# Altium PCB cyber60-smk.PcbDoc (part 3 of 4)
Units mm, origin at the board's own origin, x right, y up, seen from the top; angles counter-clockwise.
Board outline 284.73 x 94.2 mm, 2 copper layers (Component Side, Bottom Layer), stack 1.571 mm thick; 239 components, 148 nets, 988 pads, 591 vias.
Unrouted connection lines stored in the file: 6.
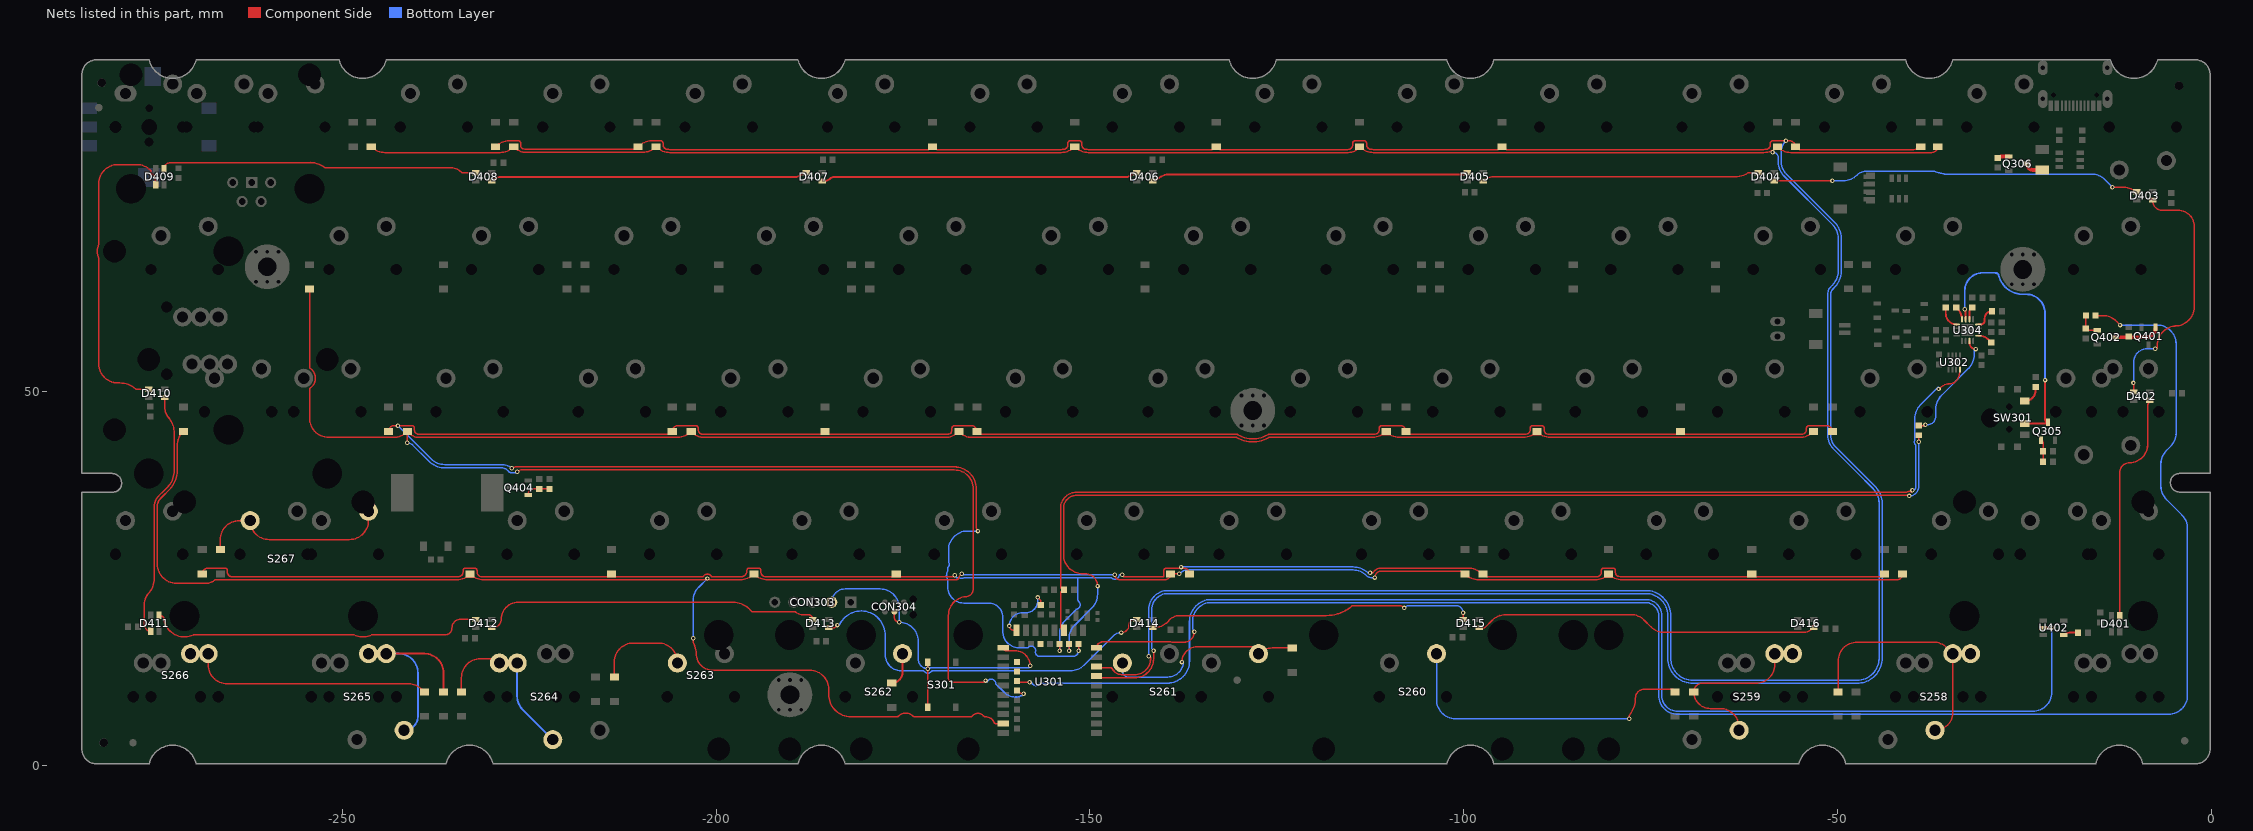
[diagram p3: the nets of this part, all layers, seen from the top]

## Via types
v1: diameter 0.6, hole 0.3, Component Side to Bottom Layer, tented both sides, 577 vias
v2: diameter 1, hole 0.5, Component Side to Bottom Layer, tented both sides, 9 vias
v3: diameter 1.5, hole 0.75, Component Side to Bottom Layer, tented both sides, 5 vias

## Nets (pads, with @x,y where several pads share a name; then routed paths per layer and width w, separated by ;. In a path a pad name is that pad's centre, name@x,y a point inside that pad or via, vN(x,y) a via of type N, cw(c..) or ccw(c..) an arc to the next point about the centre after c; other vN are vias at no path point) (continued)
NetD258_1: D258.1 S258.1 | length 33.1
  Component Side w0.203: D258.1@-49.911,9.85 -49.911,13.97 cw(c-47.371,13.97) -47.371,16.51 -37.166,16.51 cw(c-37.166,13.97) -35.37,15.766 S258.1@-34.569,14.965 -34.569,7.096 cw(c-36.95,7.096) S258.1@-36.95,4.715
NetD259_1: D259.1 S259.1 | length 24.4
  Component Side w0.203: S259.1@-63.15,4.715 -63.15,5.08 ccw(c-65.69,5.08) -65.69,7.62 -66.985,7.62 cw(c-66.985,9.85) D259.1@-69.215,9.85 cw(c-68.055,9.85) -68.055,11.01 -60.875,11.01 ccw(c-60.875,13.497) -58.387,13.497 S259.1@-58.387,14.965 -58.911,14.441 ccw(c-58.767,14.298) S259.1@-58.97,14.298
NetD260_1: D260.1 S260.1 | length 42.7
  Component Side w0.203: v1(-77.851,6.269) -77.851,6.57 -77.867,6.585 cw(c-77.663,6.585) -77.823,6.711 ccw(c-80.773,9.025) -77.561,7.091 ccw(c-80.773,9.025) -77.024,9.025 cw(c-75.846,9.025) -75.846,10.203 -72.108,10.203 cw(c-72.108,9.85) D260.1@-71.755,9.85 ; D260.1@-71.426,9.969 ccw(c-72.241,10.784) D260.1@-71.313,10.1
  Bottom Layer w0.203: S260.1@-103.63,14.965 -103.63,8.809 ccw(c-101.09,8.809) -101.09,6.269 v1(-77.851,6.269)
NetD261_1: D261.1 S261.2 | length 27.8
  Component Side w0.203: v1(-137.683,13.844) cw(c-135.652,13.844) -135.652,15.875 -128.353,15.875 cw(c-128.353,14.965) S261.2@-127.443,14.965 -127.42,14.988 cw(c-125.624,13.192) -125.624,15.732 D261.1@-122.936,15.732
  Bottom Layer w0.203: S261.2@-145.649,13.715 -145.649,12.68 ccw(c-144.78,12.68) -144.975,11.833 -139.617,11.833 ccw(c-139.617,13.97) -137.481,13.97 cw(c-137.608,13.97) -137.608,13.843 v1(-137.683,13.844) v1(-137.683,13.844)
NetD262_1: D262.1 S262.1 | length 4.7
  Component Side w0.254: D262.1@-176.5,11.033 ccw(c-176.5,12.465) -175.068,12.465 S262.1@-175.068,14.965
NetD263_1: D263.1 S263.1 | length 13.5
  Component Side w0.203: D263.1@-213.614,11.85 -213.614,13.843 cw(c-211.074,13.843) -211.074,16.383 -207.721,16.383 cw(c-207.721,13.843) -205.181,13.843 S263.1@-205.181,13.715
NetD264_1: D264.1 S264.2 | length 21.1
  Component Side w0.203: D264.1@-234.061,9.85 -234.061,11.755 cw(c-231.521,11.755) -231.521,14.295 S264.2@-228.383,14.295
  Bottom Layer w0.254: S264.2@-226.612,13.715 -226.612,9.28 ccw(c-224.072,9.28) -225.868,7.484 S264.2@-221.849,3.465
NetD265_1: D265.1 S265.1 | length 26.1
  Component Side w0.254: S265.1@-244.119,14.965 -239.014,14.965 cw(c-239.014,12.425) -236.474,12.425 D265.1@-236.474,9.85
  Bottom Layer w0.254: S265.1@-244.119,14.965 -242.443,14.965 cw(c-242.443,12.425) -239.903,12.425 -239.903,6.55 cw(c-241.738,6.55) S265.1@-241.738,4.715
NetD266_1: D266.1 S266.1 | length 32.2
  Component Side w0.203: S266.1@-267.937,14.965 -267.937,13.462 ccw(c-265.397,13.462) -265.397,10.922 -241.138,10.922 cw(c-241.138,8.382) -239.342,10.178 D266.1@-239.014,9.85
NetD267_1: D267.1 S267.1 | length 26.3
  Component Side w0.203: D267.1@-266.319,28.9 -266.319,30.225 cw(c-263.779,30.225) -263.779,32.765 S267.1@-262.33,32.765 ccw(c-259.791,32.765) -259.791,30.226 -249.045,30.226 ccw(c-249.045,32.766) -246.505,32.766 S267.1@-246.505,33.58
NetD401_2: D401.2 D402.4 | length 30.9
  Component Side w0.203: D401.2@-12.25,20.065 -12.25,39.185 cw(c-10.922,39.185) -10.922,40.513 ccw(c-10.922,42.926) -8.509,42.926 -8.509,47.994 cw(c-7.474,47.994) D402.4@-8.206,48.726
NetD402_2: D402.2 D403.4 | length 34.7
  Component Side w0.203: v1(-10.414,51.181) cw(c-10.602,50.993) -10.336,50.993 D402.2@-10.336,49.826 ; D403.4@-7.825,75.523 ccw(c-6.597,75.523) -6.597,74.295 -4.445,74.295 cw(c-4.445,72.136) -2.286,72.136 -2.286,61.341 cw(c-4.826,61.341) -4.826,58.801 cw(c-4.9,58.99) -4.88,58.788 ccw(c-4.62,56.204) -7.206,56.441 ; v1(-7.493,55.753) ccw(c-7.493,56.04) -7.242,55.9 ccw(c-7.42,55.999) -7.216,55.999 -7.216,56.204 cw(c-4.62,56.204) -7.206,56.44
  Bottom Layer w0.203: v1@-10.362,51.279 -10.362,53.975 cw(c-8.584,53.975) -8.584,55.753 v1(-7.493,55.753)
NetD403_2: D403.2 D404.4 | length 49.7
  Component Side w0.203: D404.4@-58.435,78.2 -58.403,78.232 v1(-50.673,78.232) ; v1(-13.208,77.343) -11.693,77.343 cw(c-11.693,74.885) D403.2@-9.955,76.623
  Bottom Layer w0.203: v1(-50.673,78.232) -49.185,78.232 ccw(c-49.185,80.772) -47.389,78.976 -47.371,78.994 cw(c-46.145,77.768) -46.145,79.502 -37.128,79.502 cw(c-37.127,79.299) -37.031,79.478 ccw(c-36.195,81.026) -36.317,79.271 cw(c-36.331,79.068) -36.256,79.257 ccw(c-35.55,81.026) -35.55,79.121 -16.038,79.121 cw(c-16.038,76.581) -14.242,78.377 v1(-13.208,77.343)
NetD404_2: D404.2 D405.4 | length 37.1
  Component Side w0.203: D405.4@-97.368,78.2 cw(c-96.054,76.886) -96.054,78.744 -63.69,78.744 ccw(c-63.69,81.724) -62.008,79.265 cw(c-61.893,79.097) -61.892,79.3 D404.2@-60.565,79.3
NetD405_2: D405.2 D406.4 | length 42.4
  Component Side w0.254: D406.4@-141.585,78.2 -141.446,78.2 ccw(c-141.446,78.785) -141.033,78.371 cw(c-139.307,76.646) -139.307,79.086 -100.015,79.086 ccw(c-100.015,79.817) D405.2@-99.498,79.3
NetD406_2: D406.2 D407.4 | length 42.4
  Component Side w0.254: D407.4@-185.802,78.2 -185.475,78.2 ccw(c-185.475,79.176) -184.785,78.486 cw(c-184.222,77.923) -184.222,78.719 -145.164,78.719 ccw(c-145.164,79.808) -144.267,79.19 cw(c-144.058,79.046) -144.057,79.3 D406.2@-143.715,79.3
NetD407_2: D407.2 D408.4 | length 42.6
  Component Side w0.254: D408.4@-230.018,78.2 cw(c-228.765,76.947) -228.765,78.719 -189.422,78.719 ccw(c-189.422,79.947) -189.052,78.776 ccw(c-189.38,79.815) -188.487,79.191 cw(c-188.279,79.046) -188.277,79.3 D407.2@-187.932,79.3 cw(c-189.032,79.3) D407.2@-187.954,79.08
NetD408_2: D408.2 D409.4 | length 43.9
  Component Side w0.203: D409.4@-273.703,79.815 D409.4@-273.85,79.815 cw(c-273.035,79.815) -273.035,80.63 -270.256,80.63 -261.493,80.63 -254.913,80.63 ccw(c-254.913,80.833) -254.884,80.632 cw(c-254.381,77.16) -253.704,80.603 cw(c-254.381,77.16) -252.301,79.985 ccw(c-252.18,80.149) -252.18,79.946 -238.252,79.946 -235.477,79.946 ; -236.728,79.946 -235.479,79.946 cw(c-235.479,79.39) -235.477,79.946 ; D408.2@-232.148,79.3 -233.924,79.3 cw(c-233.924,79.503) -234.069,79.361 ccw(c-235.458,78.003) -235.458,79.945 cw(c-235.46,80.149) -235.465,79.945 ccw(c-235.479,79.39) -235.477,79.946
NetD409_2: D409.2 D410.4 | length 44.1
  Component Side w0.203: -280.623,51.25 ccw(c-280.035,53.721) -280.035,51.181 ; D410.4@-275.996,50.437 D410.4@-275.893,50.334 -277.548,50.334 cw(c-277.548,50.537) -277.683,50.386 ccw(c-279.755,48.085) -279.755,51.181 -280.035,51.181 ; D409.2@-274.95,77.685 -274.95,77.85 ccw(c-277.49,77.85) -275.176,78.897 ccw(c-275.361,78.814) -275.337,79.016 cw(c-275.3,79.315) -275.602,79.315 -275.602,79.468 ccw(c-275.805,79.469) -275.658,79.609 ccw(c-277.49,77.85) -277.49,80.39 -280.035,80.39 ccw(c-280.035,77.85) -282.575,77.85 -282.575,69.818 cw(c-282.778,69.817) -282.593,69.734 ccw(c-280.465,68.783) -282.593,67.832 cw(c-282.778,67.749) -282.575,67.748 -282.575,53.721 ccw(c-280.035,53.721) -280.035,51.181
NetD410_2: D410.2 D411.4 | length 33.7
  Component Side w0.203: D411.4@-275.55,17.935 cw(c-275.55,18.864) -276.479,18.864 -276.479,21.553 cw(c-274.222,21.553) -276.027,22.908 ccw(c-278.257,25.055) -275.818,23.149 ccw(c-278.257,25.055) -275.161,25.055 -275.161,25.079 cw(c-274.958,25.079) -275.16,25.1 ccw(c-277.686,25.372) -275.146,25.372 -275.146,34.885 cw(c-273.177,34.635) -274.579,36.039 -273.864,36.755 -273.4,37.218 ccw(c-275.59,39.406) -272.532,38.928 ccw(c-275.59,39.406) -272.494,39.406 -272.494,44.541 ccw(c-275.59,44.541) -272.5,44.721 ; D410.2@-273.763,49.234 -273.763,47.948 ccw(c-271.603,47.948) -273.358,46.689 ccw(c-273.193,46.807) -273.342,46.669 ccw(c-273.193,46.807) -273.341,46.668 ; -273.13,46.421 ccw(c-275.59,44.541) -273.341,46.668 ; -272.5,44.721 ccw(c-275.59,44.541) -273.341,46.668
NetD411_2: D411.2 D412.4 | length 45.3
  Component Side w0.203: D411.2@-274.311,19.926 -274.45,20.065 cw(c-274.45,19.339) -273.976,19.889 cw(c-274.109,19.735) -273.907,19.754 ccw(c-271.118,20.01) -273.724,18.985 ccw(c-271.118,20.01) -273.44,18.445 ccw(c-271.118,20.01) -269.959,17.461 cw(c-269.875,17.276) -269.874,17.479 -267.477,17.479 ; -267.476,17.479 cw(c-267.311,13.831) -267.311,17.483 -253.195,17.483 -252.984,17.483 -248.494,17.483 cw(c-248.493,17.279) -248.409,17.464 ccw(c-247.242,20.01) -246.075,17.464 cw(c-245.991,17.279) -245.99,17.483 -236.263,17.483 ccw(c-236.263,18.415) -235.331,18.415 cw(c-234.196,18.415) -234.196,19.55 D412.4@-232.148,19.55
NetD412_2: D412.2 D413.4 | length 45.7
  Component Side w0.203: D412.2@-230.018,18.45 -229.856,18.45 ccw(c-229.856,19.576) -228.73,19.576 cw(c-226.462,19.576) -226.462,21.844 -200.624,21.844 -197.739,21.844 cw(c-197.739,18.748) -195.297,20.651 ccw(c-195.138,20.777) -195.139,20.574 -189.502,20.574 cw(c-189.503,20.371) -189.483,20.573 cw(c-189.503,20.371) -189.378,20.531 ccw(c-188.341,21.844) -189.336,20.498 ccw(c-188.341,21.844) -189.202,20.409 ccw(c-188.341,21.844) -189.2,20.408 ccw(c-188.341,21.844) -189.199,20.407 ccw(c-188.341,21.844) -188.599,20.191 ccw(c-188.341,21.844) -188.341,20.171 -187.569,20.171 cw(c-187.57,19.968) -187.507,20.161 cw(c-187.708,19.55) -187.115,19.798 D413.4@-187.065,19.55
NetD413_2: D413.2 D414.4 | length 51
  Component Side w0.203: D413.2@-184.935,18.45 -184.9,18.415 -184.15,18.415 v1(-183.769,18.796) ; v1(-145.796,17.78) ccw(c-145.796,18.805) -144.771,18.805 cw(c-144.033,18.805) -144.402,19.444 cw(c-144.033,18.805) -144.033,19.543 D414.4@-143.89,19.543
  Bottom Layer w0.203: v1(-183.769,18.796) -183.633,18.796 ccw(c-183.634,18.999) -183.452,18.908 cw(c-180.589,17.47) -182.012,20.341 ; -181.834,20.422 ccw(c-180.589,17.47) -182.012,20.341 ; v1(-145.796,17.78) ccw(c-145.796,16.247) -146.88,17.331 -150.789,13.422 cw(c-152.585,15.218) -152.585,12.678 -171.029,12.678 ccw(c-171.028,12.475) -171.19,12.597 cw(c-171.674,12.954) -172.158,12.596 ccw(c-172.32,12.475) -172.319,12.678 -175.251,12.678 cw(c-175.251,14.815) -177.388,14.815 -177.388,17.569 ccw(c-177.791,17.569) -177.391,17.622 cw(c-177.189,17.647) -177.393,17.651 ccw(c-177.796,17.662) -177.393,17.688 ccw(c-180.589,17.47) -178.363,19.773 ccw(c-180.589,17.47) -182.012,20.341
NetD414_2: D414.2 D415.4 | length 45.3
  Component Side w0.203: D414.2@-141.585,18.45 -141.406,18.45 ccw(c-141.406,20.99) -139.61,19.194 -139.53,19.273 cw(c-137.988,18.161) -139.367,19.47 cw(c-137.988,18.161) -137.988,20.063 -118.364,20.063 ccw(c-118.364,25.229) -115.513,20.921 ; -116.757,20.319 ccw(c-118.364,25.229) -115.513,20.921 ; v1(-107.95,21.082) ccw(c-108.713,20.319) -108.713,21.398 -114.82,21.398 ccw(c-114.821,21.195) -114.955,21.347 cw(c-118.364,25.229) -115.512,20.922 cw(c-118.364,25.229) -115.513,20.921 ; v1(-100.076,20.447) -100.076,19.561 D415.4@-100.065,19.55
  Bottom Layer w0.203: v1(-107.95,21.082) cw(c-107.191,20.323) -107.191,21.396 -101.025,21.396 cw(c-101.025,20.447) v1(-100.076,20.447)
NetD415_2: D415.2 D416.4 | length 45.8
  Component Side w0.203: -97.368,18.45 ccw(c-97.368,19.987) -97.162,18.464 -96.181,19.444 cw(c-94.385,17.648) -95.854,19.72 cw(c-94.385,17.648) -94.385,20.188 -77.629,20.188 cw(c-77.629,17.648) -75.832,19.444 -74.93,18.542 ccw(c-73.134,20.338) -73.134,17.798 -54.725,17.798 ccw(c-54.725,20.023) D416.4@-53.152,18.45
NetF301_1: F301.1 Q306.3 | length 2.5
  Component Side w0.5: Q306.3@-24.667,80.507 ccw(c-23.836,80.507) -23.836,79.676 F301.1@-22.606,79.676
NetL301_2: L301.2 U301.25 | length 8.6
  Component Side w0.203: v1(-160.782,18.669) ccw(c-160.219,18.669) -160.219,18.106 U301.25@-159.798,18.106 ; v1(-156.972,22.479) -156.591,22.098 L301.2@-156.591,21.478
  Bottom Layer w0.203: v1(-160.782,18.669) cw(c-159.004,18.669) -159.004,20.447 -158.559,20.447 ccw(c-158.559,22.034) -156.972,22.034 v1(-156.972,22.479)
NetQ305_1: Q305.1 R305.2 R306.1 | length 3
  Component Side w0.203: Q305.1@-22.794,43.504 cw(c-22.794,43.204) -22.494,43.204 R305.2@-22.494,40.64
NetQ305_3: Q305.3 SW301.2 U304.15 | length 36.8
  Component Side w0.254: v1(-32.977,61.043) cw(c-33.293,60.727) -32.846,60.727 U304.15@-32.846,59.699 ; SW301.2@-24.925,45.75 -21.998,45.75 ccw(c-21.998,45.904) Q305.3@-21.844,45.904 cw(c-21.844,46.285) -22.225,46.285 v1(-22.225,51.562)
  Bottom Layer w0.254: v1(-32.977,61.043) -32.977,63.507 cw(c-30.571,63.507) -30.571,65.913 -28.906,65.913 cw(c-28.906,65.387) -28.836,65.908 cw(c-28.906,65.387) -28.448,65.647 ccw(c-25.2,66.365) -28.38,65.387 ccw(c-25.2,66.365) -27.474,63.937 ccw(c-25.2,66.365) -25.422,63.045 ccw(c-25.2,66.365) -24.978,63.045 -24.765,63.045 cw(c-24.765,60.505) -22.225,60.505 v1(-22.225,51.562)
NetQ306_1: Q306.1 R315.1 | length 1.5
  Component Side w0.5: R315.1@-28.534,81.284 cw(c-28.116,80.866) -28.116,81.457 Q306.1@-27.067,81.457
NetQ401_1: Q401.1 Q402.3 R402.1 | length 6.2
  Component Side w0.5: Q402.3@-12.827,57.277 -8.759,57.277 ccw(c-8.759,58.604) Q401.1@-7.432,58.604
NetQ402_1: Q402.1 R401.2 R403.1 | length 3.4
  Component Side w0.203: R401.2@-16.779,60.198 -16.779,58.471 ccw(c-16.728,58.471) R403.1@-16.764,58.435 ccw(c-16.262,58.937) -16.262,58.227 Q402.1@-15.227,58.227
NetQ404_1: Q404.1 R406.1 R407.1 | length 3.3
  Component Side w0.203: Q404.1@-225.145,36.21 cw(c-224.337,36.21) -224.337,37.018 R407.1@-223.678,37.018 R406.1@-222.281,37.018
NetR307_1: R307.1 U304.14 | length 1.7
  Component Side w0.254: U304.14@-32.346,59.699 -32.346,60.659 cw(c-31.465,60.659) R307.1@-32.088,61.282
NetR308_1: R308.1 U304.12 | length 3
  Component Side w0.254: U304.12@-31.146,58.999 -30.83,58.999 ccw(c-30.83,59.519) -30.31,59.519 -30.31,59.788 cw(c-29.309,59.788) R308.1@-29.309,60.789
NetR310_1: R310.1 U304.16 | length 1.8
  Component Side w0.254: R310.1@-34.12,61.282 -33.918,61.08 cw(c-35.299,59.699) U304.16@-33.346,59.699
NetR311_1: R311.1 SW301.1 | length 3.2
  Component Side w0.254: SW301.1@-24.623,49.052 cw(c-24.925,49.052) SW301.1@-24.925,48.75 ccw(c-24.925,50.18) -23.495,50.18 R311.1@-23.495,50.643
NetR312_1: R312.1 U304.9 | length 2
  Component Side w0.254: U304.9@-31.146,57.499 cw(c-31.146,55.473) -29.714,56.906 R312.1@-29.421,56.613
NetR313_1: R313.1 U304.1 | length 3.1
  Component Side w0.254: R313.1@-35.517,61.282 -35.517,60.47 ccw(c-34.046,60.47) U304.1@-34.046,58.999
NetR314_1: R314.1 U304.7 | length 16.3
  Component Side w0.203: R314.1@-39.116,45.481 -38.339,45.481 ccw(c-38.339,45.593) v1(-38.227,45.593)
  Component Side w0.254: v1(-31.5,55.709) cw(c-31.5,56.555) -32.161,56.026 ; -32.161,56.026 cw(c-31.5,56.555) -32.346,56.555 U304.7@-32.346,56.799 ccw(c-30.644,56.799) -32.161,56.026
  Bottom Layer w0.203: v1(-38.227,45.593) -38.227,45.598 -37.922,45.598 ; v1@-37.973,45.593 ccw(c-37.973,46.736) -36.83,46.736 -36.83,47.716 cw(c-34.29,47.716) -36.086,49.512 -32.451,53.147 ccw(c-34.247,54.943) -31.707,54.943 v1@-31.707,55.709
NetR404_2: R404.2 U402.4 | length 2
  Component Side w0.254: U402.4@-19.707,17.465 cw(c-18.947,16.705) -18.947,17.78 R404.2@-17.795,17.78
P0.02/AIN0: D201.2 D203.2 D205.2 D207.2 D209.2 D211.2 D213.2 U301.7 | length 399.1
  Component Side w0.203: D213.2@-229.489,82.78 -229.429,82.84 cw(c-227.686,81.097) -227.686,83.562 -226.466,83.562 cw(c-226.466,83.235) -226.139,83.235 -226.139,82.947 ccw(c-225.619,82.947) -225.886,82.5 ccw(c-225.78,82.674) -225.825,82.476 ccw(c-225.379,84.477) -225.379,82.427 -211.207,82.427 ccw(c-211.301,83.642) D211.2@-210.536,82.693 ; D211.2@-210.439,82.78 cw(c-211.301,83.642) D211.2@-210.536,82.693 ; U301.7@-149.098,11.946 ccw(c-148.892,11.946) -148.892,11.74 -145.669,11.74 ; v1(-141.478,15.367) -141.478,14.28 cw(c-144.018,14.28) -144.018,11.74 -145.63,11.74 ; D201.2@-38.862,82.78 cw(c-39.777,83.695) -39.777,82.401 -51.054,82.401 -55.057,82.401 cw(c-55.057,82.604) -55.155,82.426 cw(c-54.151,84.255) D203.2@-55.626,82.78 ccw(c-56.408,82.78) -56.408,83.562 -58.649,83.562 ccw(c-58.649,83.235) -58.976,83.235 -58.976,83.034 cw(c-59.609,83.034) -59.282,82.492 cw(c-59.386,82.667) -59.335,82.47 cw(c-59.873,84.538) -59.873,82.401 -91.313,82.401 -94.243,82.401 cw(c-94.243,82.604) -94.319,82.416 cw(c-93.701,83.948) D205.2@-94.869,82.78 cw(c-96.344,84.255) -95.341,82.426 cw(c-95.438,82.604) -95.438,82.401 -97.917,82.401 -112.085,82.401 cw(c-112.085,84.538) -112.625,82.471 cw(c-112.572,82.667) -112.68,82.495 cw(c-112.349,83.034) -112.982,83.034 -112.982,83.235 ccw(c-113.309,83.235) -113.309,83.562 -114.529,83.562 ccw(c-114.529,83.235) -114.856,83.235 -114.856,83.034 cw(c-115.489,83.034) -115.489,82.401 -127,82.401 -132.553,82.401 cw(c-132.553,82.604) -132.662,82.433 cw(c-131.314,84.562) D207.2@-133.096,82.78 cw(c-134.571,84.255) -133.568,82.426 cw(c-133.665,82.604) -133.665,82.401 -136.271,82.401 -150.185,82.401 cw(c-150.185,84.538) -150.725,82.471 cw(c-150.672,82.667) -150.78,82.495 cw(c-150.449,83.034) -151.082,83.034 -151.082,83.235 ccw(c-151.409,83.235) -151.409,83.562 -152.629,83.562 ccw(c-152.629,83.235) -152.956,83.235 -152.956,83.034 cw(c-153.589,83.034) -153.262,82.492 cw(c-153.366,82.667) -153.315,82.47 cw(c-153.853,84.538) -153.853,82.401 -169.418,82.401 -170.443,82.401 cw(c-170.443,82.604) -170.519,82.416 cw(c-169.901,83.948) D209.2@-171.069,82.78 cw(c-172.544,84.255) -171.541,82.426 cw(c-171.638,82.604) -171.638,82.401 -173.482,82.401 -206.192,82.401 cw(c-206.192,84.538) -206.732,82.471 cw(c-206.679,82.667) -206.787,82.495 cw(c-206.456,83.034) -207.089,83.034 -207.089,83.235 ccw(c-207.416,83.235) -207.416,83.562 -208.636,83.562 ccw(c-208.636,81.307) -210.23,82.902 -210.439,82.693 D211.2@-210.536,82.693 ; -145.668,11.74 ccw(c-145.649,13.715) -145.63,11.74 ; -145.669,11.74 ccw(c-145.649,13.715) -145.63,11.74
  Bottom Layer w0.203: -141.71,15.599 -141.71,20.87 cw(c-139.573,20.87) -141.103,22.361 cw(c-139.573,20.87) -139.576,23.007 -133.991,23.007 ccw(c-133.991,23.41) -133.979,23.007 cw(c-133.858,19.663) -133.858,23.009 -75.648,23.009 cw(c-75.648,20.066) -73.805,22.361 cw(c-75.648,20.066) -72.704,20.066 -72.704,14.986 -72.704,14.351 ccw(c-69.358,14.351) -72.704,14.347 ccw(c-69.358,14.351) -72.094,12.424 ccw(c-69.358,14.351) -70.956,11.411 ccw(c-69.358,14.351) -69.358,11.005 -47.371,11.005 ccw(c-47.371,14.351) -46.104,11.254 ccw(c-47.371,14.351) -44.587,12.495 ccw(c-47.371,14.351) -44.025,14.351 -44.025,16.129 -44.025,32.734 -44.025,35.121 ccw(c-46.968,35.121) -44.421,36.596 cw(c-44.245,36.697) -44.423,36.6 ccw(c-47.371,35.016) -45.007,37.384 -47.182,39.559 ; v1(-56.896,83.566) ccw(c-55.417,82.087) -57.509,82.087 -57.509,80.681 ccw(c-55.372,80.681) -57.497,80.46 ccw(c-57.295,80.482) -57.496,80.451 ccw(c-54.991,80.87) -56.788,79.076 -50.369,72.656 cw(c-52.451,70.576) -49.508,70.576 -49.508,66.076 cw(c-52.451,66.076) -50.369,63.996 -50.642,63.723 ccw(c-50.061,63.142) -50.825,63.444 ccw(c-50.636,63.371) -50.834,63.415 cw(c-51.816,63.627) -50.864,63.305 ccw(c-50.671,63.241) -50.872,63.276 ccw(c-50.061,63.142) -50.883,63.142 -50.883,44.145 ccw(c-48.746,44.145) -50.256,42.633 -47.182,39.56
P0.05: R303.2 U301.15 U302.8 | length 152.9
  Component Side w0.203: U301.15@-153.67,18.328 ccw(c-153.448,18.328) U301.15@-153.448,18.106 cw(c-153.448,18.582) -153.924,18.582 -153.924,23.002 cw(c-153.431,23.002) R303.2@-153.431,23.495 cw(c-153.431,23.988) -153.924,23.988 -153.924,34.417 cw(c-151.787,34.417) -152.42,36.458 cw(c-151.787,34.417) -151.787,36.554 -40.741,36.554 cw(c-40.386,36.068) -40.07,36.58 ccw(c-40.154,36.703) -40.005,36.703 -40.005,36.78 v1(-39.971,36.814) ; v1(-36.474,50.367) -36.453,50.388 cw(c-34.8,48.736) -34.975,51.066 ; -34.8,51.073 cw(c-34.925,52.07) -34.975,51.066 ; U302.8@-33.624,52.986 -33.624,52.785 cw(c-35.64,52.785) -34.215,51.359 cw(c-34.925,52.07) -34.474,51.172 cw(c-34.656,51.532) -34.477,51.171 cw(c-34.925,52.07) -34.975,51.066
  Bottom Layer w0.203: v1(-39.971,36.814) ccw(c-39.971,37.288) -39.579,37.022 ccw(c-40.386,37.338) -39.519,37.338 -39.519,42.861 cw(c-39.116,43.307) -39.654,43.576 -39.654,46.416 cw(c-37.114,46.416) -38.91,48.212 v1@-36.666,50.456 ; v1@-36.666,50.456 -36.512,50.609 -36.474,50.571 v1(-36.474,50.367)
P0.06: R314.2 U301.14 | length 147
  Component Side w0.203: v1(-152.781,15.367) U301.14@-152.781,16.229 ; v1(-148.971,24.003) ccw(c-150.622,24.003) -150.622,25.654 -150.981,25.654 cw(c-150.981,28.194) -152.62,26.254 cw(c-150.981,28.194) -153.416,27.472 cw(c-150.981,28.194) -153.521,28.194 -153.521,34.417 cw(c-151.787,34.417) -152.783,35.836 cw(c-151.787,34.417) -152.453,36.018 cw(c-151.787,34.417) -152.302,36.072 ccw(c-152.42,36.458) -152.3,36.073 cw(c-151.787,34.417) -151.787,36.151 -40.469,36.151 cw(c-40.469,36.068) v1(-40.386,36.068) ; v1(-39.116,43.307) R314.2@-39.116,44.181
  Bottom Layer w0.203: v1(-152.781,15.367) -152.781,16.982 cw(c-150.241,16.982) -152.037,18.778 -149.715,21.1 ccw(c-151.511,22.896) -148.971,22.896 v1(-148.971,24.003) ; v1(-40.386,36.068) ccw(c-40.386,37.338) -39.116,37.338 v1(-39.116,43.307)
P0.08: D243.2 D245.2 D247.2 D249.2 D251.2 D253.2 D255.2 U301.16 | length 246.6
  Component Side w0.203: D255.2@-268.732,25.63 cw(c-267.95,25.63) -267.95,26.412 -265.709,26.412 cw(c-265.709,26.085) -265.382,26.085 -265.382,25.917 -265.382,25.86 ccw(c-264.795,25.86) -264.795,25.273 -234.466,25.273 ccw(c-234.466,25.884) -233.855,25.884 -233.855,26.085 cw(c-233.528,26.085) -233.528,26.412 -232.308,26.412 cw(c-232.308,26.085) -231.981,26.085 -231.981,25.884 ccw(c-231.348,25.884) -231.679,25.345 ccw(c-231.571,25.517) -231.624,25.321 ccw(c-231.084,27.388) -231.084,25.251 -213.995,25.251 -201.845,25.251 ccw(c-201.845,25.454) -201.674,25.344 cw(c-201.168,25.019) -200.662,25.344 ccw(c-200.491,25.454) -200.491,25.251 -196.78,25.251 ccw(c-196.78,27.388) -196.61,25.258 ccw(c-196.716,26.085) -195.882,26.085 cw(c-195.555,26.085) -195.555,26.412 -194.335,26.412 cw(c-194.335,26.085) -194.008,26.085 -194.008,25.882 ccw(c-193.384,25.882) -193.688,25.337 ccw(c-193.587,25.514) -193.638,25.317 ccw(c-193.111,27.388) -193.294,25.259 ccw(c-193.276,25.461) -193.293,25.259 ccw(c-193.276,25.461) -193.277,25.258 ; -193.276,25.258 -192.532,25.258 v1@-168.081,25.258 ; v1(-154.051,15.367) U301.16@-154.051,16.229 ; v1(-145.669,25.527) ccw(c-145.415,25.527) -145.415,25.273 -140.208,25.273 ccw(c-140.208,25.4) -140.103,25.328 -140.103,26.085 cw(c-139.802,26.085) -139.802,26.387 -137.408,26.387 cw(c-137.408,25.63) D249.2@-136.652,25.63 ; v1@-112.232,25.781 ccw(c-112.232,25.984) -112.065,25.869 cw(c-111.02,25.146) -111.02,26.416 -99.402,26.416 cw(c-99.402,23.876) -97.606,25.672 -97.564,25.63 D247.2@-97.409,25.63 ccw(c-96.241,26.798) -96.859,25.266 ccw(c-96.783,25.454) -96.783,25.251 -92.583,25.251 -82.403,25.251 ccw(c-82.403,27.388) -82.015,25.287 ccw(c-82.052,25.487) -81.976,25.298 ccw(c-82.215,25.884) -81.582,25.884 -81.582,26.085 cw(c-81.255,26.085) -81.255,26.412 -80.035,26.412 cw(c-80.035,26.085) -79.708,26.085 -79.708,25.884 ccw(c-79.075,25.884) -79.406,25.345 ccw(c-79.298,25.517) -79.351,25.321 ccw(c-78.811,27.388) -79.243,25.295 ccw(c-78.811,27.388) -78.811,25.251 -50.546,25.251 -43.915,25.251 ccw(c-43.915,25.454) -43.719,25.4 ccw(c-44.553,25.63) D243.2@-43.688,25.63
  Bottom Layer w0.203: v1(-168.081,25.457) -168.081,25.431 -167.908,25.258 ccw(c-167.773,25.258) -167.773,25.124 -167.416,25.124 ccw(c-167.132,25.654) -166.848,25.124 -151.638,25.124 ; v1(-154.051,15.367) -154.051,17.617 cw(c-151.511,17.617) -153.307,19.413 -151.87,20.85 cw(c-151.266,20.246) -151.823,20.894 ccw(c-151.903,21.49) -151.446,21.881 ccw(c-151.903,21.49) -151.479,21.917 cw(c-150.983,22.344) -151.638,22.344 -151.638,25.124 ; v1(-145.669,25.527) -146.083,25.527 cw(c-146.685,25.527) -147.131,25.124 -151.638,25.124 ; v1(-137.795,26.543) -137.773,26.565 -114.806,26.565 cw(c-114.806,23.622) -112.862,25.832 ccw(c-112.727,25.984) -112.727,25.781 v1(-112.522,25.781)
P0.09/NFC1: D244.2 D246.2 D248.2 D250.2 D252.2 D254.2 D256.2 U301.41 | length 316.8
  Component Side w0.203: D256.2@-271.272,44.68 -271.347,44.605 ccw(c-269.551,42.809) -272.091,42.809 -272.091,39.406 cw(c-275.59,39.406) -272.529,37.712 cw(c-275.59,39.406) -273.115,36.934 -274.087,35.962 -274.296,35.752 ccw(c-273.177,34.635) -274.74,34.874 ccw(c-274.539,34.843) -274.742,34.843 -274.742,26.934 ccw(c-272.202,26.934) -272.202,24.394 -268.077,24.394 ccw(c-268.077,25.747) -267.121,24.79 cw(c-266.979,24.645) -266.978,24.848 -234.676,24.848 ccw(c-234.676,27.388) D254.2@-233.428,25.176 ; D254.2@-232.88,25.592 cw(c-234.676,27.388) D254.2@-233.428,25.176 ; v1(-203.073,17.018) -203.073,16.527 ccw(c-202.87,16.527) -203.047,16.427 cw(c-205.613,14.986) -202.67,14.986 ccw(c-200.425,14.986) -200.425,12.741 -190.387,12.741 cw(c-190.119,9.45) -189.858,12.741 ccw(c-189.843,12.944) -189.844,12.741 -187.474,12.741 cw(c-187.474,10.201) -187.453,12.741 cw(c-187.474,10.201) -185.751,12.067 cw(c-187.474,10.201) -184.934,10.201 -184.934,9.487 ccw(c-181.991,9.487) -184.367,7.75 ccw(c-181.991,9.487) -181.995,6.544 ccw(c-181.991,9.487) -181.991,6.544 -180.721,6.544 -175.743,6.544 ccw(c-175.744,6.747) -175.603,6.601 cw(c-174.625,5.588) -173.647,6.601 ccw(c-173.506,6.747) -173.506,6.544 -168.275,6.544 -167.578,6.544 -165.797,6.544 cw(c-164.973,5.969) -164.149,6.544 -164.001,6.544 cw(c-164.001,5.207) -163.823,6.532 cw(c-164.001,5.207) -162.767,5.72 ccw(c-162.58,5.799) -162.581,5.596 U301.41@-161.598,5.596 ; v1(-167.132,25.654) -167.505,25.281 cw(c-167.908,25.258) -167.908,24.855 -168.168,24.855 cw(c-168.275,25.662) -168.275,24.848 -193.111,24.848 cw(c-193.111,27.388) -194.907,25.592 D252.2@-194.945,25.63 -194.984,25.592 cw(c-196.78,27.388) -196.78,24.848 -231.084,24.848 cw(c-231.084,27.388) -232.332,25.176 D254.2@-233.428,25.176 ; v1(-146.685,25.527) ccw(c-146.028,25.527) -146.028,24.87 -139.952,24.87 ccw(c-139.952,25.63) D250.2@-139.192,25.63 cw(c-139.168,25.63) -139.168,25.654 v1(-138.049,25.654) ; v1(-111.887,25.146) cw(c-111.02,25.146) -111.02,26.013 -100.746,26.013 cw(c-100.746,24.706) D248.2@-99.822,25.63 -99.762,25.57 ccw(c-98.019,27.313) -98.019,24.848 -82.403,24.848 ccw(c-82.403,27.388) D246.2@-81.155,25.176 ; D246.2@-80.607,25.592 cw(c-82.403,27.388) D246.2@-81.155,25.176 ; D244.2@-41.275,25.63 cw(c-42.057,25.63) -42.057,24.848 -78.811,24.848 cw(c-78.811,27.388) -80.059,25.176 D246.2@-81.155,25.176
  Bottom Layer w0.203: v1(-203.073,17.018) -203.073,22.062 cw(c-200.533,22.062) -203.054,22.371 cw(c-200.533,22.062) -203.024,22.557 cw(c-200.533,22.062) -202.329,23.858 v1(-201.168,25.019) ; v1(-167.132,25.654) ccw(c-166.825,25.961) -166.825,25.527 v1(-146.685,25.527) ; v1(-138.049,25.654) cw(c-136.823,24.428) -137.622,25.967 ccw(c-137.795,26.543) -137.47,26.036 cw(c-136.823,24.428) -136.823,26.162 -114.806,26.162 cw(c-114.806,23.622) -113.01,25.418 -112.947,25.356 ccw(c-112.441,25.862) -112.441,25.146 v1(-111.887,25.146)
P0.12: U301.20
P0.15: U301.28
P0.17: U301.30
P0.18/RESET: CON303.2 CON304.3 S301.2 U301.26 | length 48.4
  Component Side w0.203: CON304.3@-176.149,20.574 -176.149,19.812 ccw(c-175.514,19.812) v1(-175.514,19.177) ; S301.2@-171.674,7.795 v1(-171.674,12.954) S301.2@-171.674,13.795 ; U301.26@-161.598,15.756 ccw(c-161.209,15.756) -161.209,15.367 -160.02,15.367 cw(c-160.02,13.335) v1(-157.988,13.335)
  Bottom Layer w0.203: CON303.2@-184.531,21.844 cw(c-182.753,21.844) -182.753,23.622 -178.054,23.622 cw(c-178.054,21.082) -175.514,21.082 v1(-175.514,19.177) cw(c-175.514,16.637) -172.974,16.637 -172.974,14.254 ccw(c-171.674,14.254) -172.255,13.091 ccw(c-171.674,14.254) -172.237,13.082 -172.214,13.072 cw(c-172.32,12.475) -172.036,13.01 ccw(c-171.942,13.191) -171.995,12.994 ccw(c-171.674,14.254) v1(-171.674,12.954) ; v1@-171.623,13.03 -171.33,13.03 -171.279,13.081 -158.242,13.081 ccw(c-158.242,13.335) v1(-157.988,13.335)
P0.20: U301.32 U402.2 | length 172.1
  Component Side w0.203: U301.32@-159.748,11.311 ccw(c-159.324,11.735) -159.324,11.136 v1(-158.063,11.136) ; U402.2@-22.457,18.415 v1(-21.336,18.415)
  Bottom Layer w0.203: v1(-158.063,11.136) v1@-157.901,11.136 ; v1@-157.861,11.176 v1@-157.901,11.136 ; -157.651,10.878 cw(c-157.226,11.303) -157.727,10.969 cw(c-157.226,11.303) v1@-157.804,11.135 ; v1(-21.336,18.415) -21.336,9.801 cw(c-23.876,9.801) -23.876,7.261 -71.374,7.261 cw(c-71.374,9.398) -72.721,7.74 -72.723,7.74 cw(c-71.374,9.398) -73.489,9.096 cw(c-71.374,9.398) -73.511,9.398 -73.511,20.066 ccw(c-75.648,20.066) -74.157,21.597 ccw(c-75.648,20.066) -75.648,22.203 -133.858,22.203 ccw(c-133.858,19.663) -135.36,21.711 cw(c-135.48,21.875) -135.367,21.706 ccw(c-133.731,19.26) -136.674,19.26 -136.674,13.97 cw(c-139.617,13.97) -139.617,11.027 -141.859,11.027 -156.692,11.027 cw(c-157.226,11.303) -157.475,10.755 cw(c-157.226,11.303) v1@-157.804,11.135 ; v1@-157.901,11.136 -157.816,11.136 cw(c-157.816,10.84) v1@-157.804,11.135
P0.22: D230.2 D232.2 D234.2 D236.2 D238.2 D240.2 D242.2 U301.34 | length 343.8
  Component Side w0.203: D242.2@-254.381,63.73 -254.381,53.292 ccw(c-254.178,53.292) -254.29,53.123 cw(c-255.162,51.815) -254.29,50.507 ccw(c-254.178,50.338) -254.381,50.338 -254.381,46.438 ccw(c-251.841,46.438) -251.841,43.898 -243.134,43.898 ccw(c-243.134,46.438) -241.338,44.642 D240.2@-241.3,44.68 ; v1(-241.3,43.18) D240.2@-241.3,44.68 ; v1(-226.6,39.3) cw(c-226.007,38.707) -226.007,39.546 -225.676,39.546 -168.126,39.546 cw(c-168.126,37.006) -165.586,37.006 -165.586,23.632 cw(c-166.623,23.632) -166.486,22.604 cw(c-166.623,23.632) -166.623,22.595 ccw(c-166.386,20.066) -168.926,20.066 -168.926,11.684 ccw(c-168.402,11.684) -168.843,11.401 cw(c-170.053,10.335) -168.774,11.318 -168.742,11.285 ccw(c-168.402,11.684) -168.416,11.16 ; D238.2@-203.913,44.226 cw(c-205.161,46.438) -205.161,43.898 -239.73,43.898 cw(c-239.73,45.8) -241.075,44.455 D240.2@-241.3,44.68 ; D238.2@-203.365,44.642 ccw(c-201.569,46.438) -203.187,44.48 ccw(c-201.569,46.438) -201.569,43.898 -169.347,43.898 ccw(c-169.347,46.438) -167.766,44.45 ccw(c-169.347,46.438) -167.551,44.642 ccw(c-165.755,46.438) -165.755,43.898 -130.448,43.898 cw(c-130.447,43.695) -130.344,43.87 ccw(c-128.212,47.5) -126.08,43.87 cw(c-125.977,43.695) -125.976,43.898 -112.197,43.898 ccw(c-112.197,46.438) -110.949,44.226 D234.2@-109.853,44.226 ; -168.415,11.16 ccw(c-168.402,11.684) -168.402,11.16 -164.302,11.16 ccw(c-164.302,11.648) -163.957,11.303 -163.948,11.294 v1(-163.948,11.358) ; U301.34@-159.748,10.041 -159.63,9.923 ccw(c-158.864,10.689) v1(-158.864,9.605) ; D234.2@-110.401,44.642 ccw(c-108.605,46.438) D234.2@-109.853,44.226 ; D232.2@-90.208,44.642 ccw(c-88.412,46.438) D232.2@-89.66,44.226 ; D230.2@-53.586,44.68 D230.2@-53.213,44.68 -53.251,44.642 cw(c-55.047,46.438) -55.047,43.898 -88.412,43.898 cw(c-88.412,46.438) D232.2@-89.66,44.226 ; D234.2@-109.853,44.226 ccw(c-108.605,46.438) -108.605,43.898 -92.004,43.898 ccw(c-92.004,46.438) -90.756,44.226 D232.2@-89.66,44.226
  Bottom Layer w0.203: v1(-241.3,43.18) cw(c-241.3,42.19) -240.601,42.891 ; -240.6,42.89 -238.586,40.876 -238.409,40.699 ccw(c-236.311,42.799) -236.77,39.866 ccw(c-236.311,42.799) -236.311,39.83 -228.727,39.83 cw(c-228.727,38.683) -227.916,39.494 -227.821,39.4 cw(c-227.964,39.256) -227.805,39.382 ; -227.691,39.27 cw(c-227.33,39.751) -227.804,39.381 ; -227.228,39.158 cw(c-227.33,39.751) -227.805,39.382 ; -227.227,39.158 cw(c-227.193,38.958) -227.192,39.161 -226.935,39.161 ccw(c-226.935,39.635) v1(-226.6,39.3) ; v1(-163.948,11.358) -163.81,11.22 ccw(c-163.703,11.327) -163.751,11.184 cw(c-163.195,10.955) -162.594,10.925 -161.463,9.793 ccw(c-159.951,11.303) -159.951,9.166 -159.743,9.166 ccw(c-159.743,10.391) -159.401,9.215 cw(c-159.004,8.763) -159.083,9.359 ccw(c-159.743,10.391) -158.877,9.525 -158.877,9.592 v1(-158.864,9.605)
P0.26: D229.2 D231.2 D233.2 D235.2 D237.2 D239.2 D241.2 U301.12 | length 324.2
  Component Side w0.203: D241.2@-243.84,44.68 cw(c-243.058,44.68) -243.058,45.462 -240.69,45.462 cw(c-240.69,45.135) -240.363,45.135 -240.363,44.934 ccw(c-239.73,44.934) -239.73,44.301 -206.246,44.301 ccw(c-206.246,44.68) D239.2@-205.867,44.68 cw(c-205.085,44.68) -205.085,45.462 -202.717,45.462 cw(c-202.717,45.135) -202.39,45.135 -202.39,44.934 ccw(c-201.757,44.934) -201.998,44.349 ccw(c-201.92,44.537) -201.988,44.345 -201.974,44.34 ccw(c-201.569,46.438) -201.569,44.301 -169.347,44.301 ccw(c-169.347,46.438) -168.68,44.408 ccw(c-168.743,44.601) -168.568,44.498 ccw(c-169.315,44.934) -168.45,44.934 -168.45,45.135 cw(c-168.123,45.135) -168.123,45.462 -165.882,45.462 cw(c-165.882,44.68) D235.2@-165.1,44.68 ccw(c-163.625,46.155) -164.629,44.326 ccw(c-164.531,44.504) -164.531,44.301 -163.195,44.301 -130.335,44.301 cw(c-130.334,44.098) -130.227,44.27 ccw(c-128.212,47.5) -126.197,44.27 cw(c-126.09,44.098) -126.089,44.301 -112.197,44.301 ccw(c-112.197,46.438) -111.659,44.37 ccw(c-111.71,44.567) -111.606,44.392 ccw(c-111.933,44.934) -111.3,44.934 -111.3,45.135 cw(c-110.973,45.135) -110.973,45.462 -108.478,45.462 cw(c-108.478,44.68) D233.2@-107.696,44.68 ccw(c-107.085,44.68) -107.637,44.417 ccw(c-107.453,44.504) -107.453,44.301 -97.917,44.301 -92.004,44.301 ccw(c-92.004,46.438) -91.466,44.37 ccw(c-91.517,44.567) -91.413,44.392 ccw(c-91.74,44.934) -91.107,44.934 -91.107,45.135 cw(c-90.78,45.135) -90.78,45.462 -89.56,45.462 cw(c-89.56,45.135) -89.233,45.135 -89.233,44.934 ccw(c-88.495,44.934) -89.025,44.421 ccw(c-88.879,44.562) -88.929,44.365 ccw(c-88.412,46.438) -88.412,44.301 -55.047,44.301 ccw(c-55.047,46.438) -54.509,44.37 ccw(c-54.56,44.567) -54.456,44.392 ccw(c-54.783,44.934) -54.15,44.934 -54.15,45.135 cw(c-53.823,45.135) -53.823,45.462 -51.455,45.462 cw(c-51.455,44.68) D229.2@-50.673,44.68 ; v1(-227.33,39.751) -227.203,39.751 cw(c-226.726,39.274) -226.726,39.949 -171.577,39.949 -168.126,39.949 cw(c-168.126,37.006) -168.122,39.949 cw(c-168.126,37.006) -165.183,37.006 -165.183,31.875 ccw(c-164.467,31.875) v1(-164.973,31.369) ; v1(-151.511,15.367) U301.12@-151.511,16.229
  Bottom Layer w0.203: v1(-242.57,45.466) -238.107,41.003 ccw(c-236.311,42.799) -236.311,40.259 -228.556,40.259 cw(c-228.556,38.525) v1(-227.33,39.751) ; v1(-164.973,31.369) -166.37,31.369 ccw(c-166.37,28.829) -168.91,28.829 -168.91,27.246 cw(c-169.418,26.924) -168.842,26.749 -168.842,26.738 -168.848,26.732 cw(c-169.418,26.924) -169.015,26.478 -169.015,26.04 ccw(c-168.081,25.457) -169.128,25.116 ccw(c-168.081,25.457) -169.037,24.91 ccw(c-168.081,25.457) -169.015,24.873 -169.015,23.876 ccw(c-166.878,23.876) -168.536,22.529 -168.402,22.394 -168.402,22.378 ccw(c-166.878,23.876) -166.878,21.739 -163.576,21.739 cw(c-163.576,19.812) -163.489,21.737 cw(c-163.508,21.334) -163.468,21.736 ; -163.467,21.736 cw(c-163.612,18.796) -163.428,21.733 cw(c-163.452,21.331) -163.427,21.733 cw(c-163.452,21.331) -163.418,21.733 cw(c-163.576,19.812) -161.649,19.812 -161.649,17.907 ccw(c-159.512,17.907) -161.62,17.556 ccw(c-159.512,17.907) -161.544,17.246 ccw(c-159.512,17.907) -161.47,17.051 ccw(c-159.512,17.907) -161.417,16.939 ccw(c-159.512,17.907) -161.344,16.808 ccw(c-159.512,17.907) -161.29,16.722 ccw(c-159.512,17.907) -161.192,16.587 ccw(c-159.512,17.907) -160.909,16.29 ccw(c-159.512,17.907) -159.512,15.77 -158.307,15.77 cw(c-157.861,15.367) -157.259,15.367 cw(c-157.861,15.367) -157.29,15.177 ccw(c-156.719,15.177) -156.719,14.605 -152.273,14.605 ccw(c-152.273,15.367) v1(-151.511,15.367)
P0.29/AIN5: D202.2 D204.2 D206.2 D208.2 D210.2 D212.2 D214.2 U301.8 | length 413.7
  Component Side w0.203: D214.2@-245.753,82.78 D214.2@-246.126,82.78 -246.088,82.742 ccw(c-244.292,84.538) -244.292,81.998 -228.91,81.998 ccw(c-228.91,84.538) -227.114,82.742 ccw(c-225.379,84.477) -225.379,82.023 -209.835,82.023 ccw(c-209.835,84.563) -209.826,82.023 ccw(c-209.835,84.563) -208.039,82.767 D210.2@-208.026,82.78 -207.988,82.742 ccw(c-206.192,84.538) -207.598,82.423 ccw(c-206.192,84.538) -206.192,81.998 -153.853,81.998 ccw(c-153.853,84.538) -152.605,82.326 ccw(c-153.853,84.538) -152.057,82.742 D208.2@-152.019,82.78 -151.981,82.742 ccw(c-150.185,84.538) -151.433,82.326 ccw(c-150.185,84.538) -150.185,81.998 -115.411,81.998 ccw(c-115.411,83.883) -114.079,82.55 -113.666,82.55 ccw(c-112.085,84.538) -112.085,81.998 -59.873,81.998 ccw(c-59.873,84.538) -58.625,82.326 ccw(c-59.873,84.538) -58.077,82.742 D204.2@-58.039,82.78 -58.001,82.742 ccw(c-56.205,84.538) -57.453,82.326 ccw(c-56.205,84.538) -56.253,81.998 ccw(c-56.205,84.538) -56.205,81.998 -37.358,81.998 ccw(c-37.358,82.78) D202.2@-36.576,82.78 ; U301.8@-148.95,13.1 -147.471,13.1 ; -145.779,12.149 ccw(c-145.649,13.715) -145.636,12.143 cw(c-145.63,11.74) -145.633,12.143 ; v1(-142.113,14.605) cw(c-142.113,14.016) -142.068,14.603 cw(c-142.084,14.401) -141.881,14.402 -141.881,14.28 cw(c-144.018,14.28) -141.929,13.833 cw(c-144.018,14.28) -143.786,12.156 -143.788,12.156 cw(c-144.018,14.28) -144.018,12.143 -145.63,12.143 ccw(c-145.63,11.74) -145.633,12.143 ; -147.471,13.1 cw(c-147.471,12.168) -147.117,13.03 cw(c-147.195,12.843) -147.019,12.943 ; -147.471,13.1 -147.195,13.1 cw(c-147.226,12.899) -147.046,12.993 ccw(c-145.649,13.715) -147.019,12.943 ; -147.019,12.943 ccw(c-145.649,13.715) -146.987,12.889 ; -147.018,12.943 ccw(c-145.649,13.715) -146.987,12.889 ; -146.987,12.889 ccw(c-145.649,13.715) -146.469,12.374 ; -146.986,12.889 ccw(c-145.649,13.715) -146.469,12.374 ; -146.469,12.374 ccw(c-145.649,13.715) -145.633,12.143
  Bottom Layer w0.203: v1(-142.113,14.605) -142.113,20.87 cw(c-139.573,20.87) -139.573,23.41 -133.991,23.41 cw(c-133.858,19.663) -133.858,23.412 -75.648,23.412 cw(c-75.648,20.066) -72.509,21.226 cw(c-75.648,20.066) -72.301,20.066 -72.301,19.431 -72.301,15.785 -72.301,14.351 ccw(c-69.358,14.351) -72.301,14.348 ccw(c-69.358,14.351) -71.927,12.914 ccw(c-69.358,14.351) -70.485,11.632 ccw(c-69.358,14.351) -69.358,11.408 -47.371,11.408 ccw(c-47.371,14.351) -45.738,11.902 ccw(c-47.371,14.351) -44.922,12.718 ccw(c-47.371,14.351) -44.428,14.351 -44.428,35.121 ccw(c-46.968,35.121) -44.773,36.399 cw(c-44.597,36.5) -44.775,36.403 ccw(c-47.371,35.016) -45.291,37.098 -47.467,39.274 -50.542,42.349 cw(c-48.746,44.145) -51.286,44.145 -51.286,63.142 cw(c-50.061,63.142) -51.261,63.388 cw(c-51.062,63.345) -51.253,63.415 ccw(c-51.816,63.627) -51.224,63.519 cw(c-51.024,63.482) -51.217,63.548 cw(c-50.061,63.142) -50.927,64.008 -50.655,64.28 ccw(c-52.451,66.076) -49.911,66.076 -49.911,70.576 ccw(c-52.451,70.576) -50.655,72.372 -57.168,78.885 cw(c-55.372,80.681) -57.912,80.681 -57.912,81.28 ccw(c-58.674,81.28) v1(-58.674,82.042)
P0.30/AIN6: R401.1 U301.10 | length 226.4
  Component Side w0.203: U301.10@-149.098,15.756 cw(c-148.32,15.756) -148.32,16.534 -139.447,16.534 cw(c-139.35,14.965) -139.318,16.536 cw(c-139.35,14.965) -139.062,16.51 -137.414,16.51 ccw(c-137.414,17.907) v1(-136.017,17.907) ; R401.1@-15.479,60.198 -14.514,60.198 cw(c-14.514,57.658) -12.718,59.454 v1(-12.192,58.928)
  Bottom Layer w0.203: v1(-136.017,17.907) cw(c-135.404,18.52) -136.271,18.52 -136.271,19.26 cw(c-133.731,19.26) -135.326,21.236 cw(c-133.731,19.26) -135.144,21.37 ccw(c-135.48,21.875) -135.12,21.387 cw(c-133.858,19.663) -133.858,21.8 -75.648,21.8 cw(c-75.648,20.066) -74.791,21.573 cw(c-76.073,19.707) -74.472,21.308 -74.235,21.071 cw(c-75.648,20.066) -73.914,20.066 -73.914,9.398 ccw(c-71.374,9.398) -71.374,6.858 -5.715,6.858 ccw(c-5.715,9.398) -3.175,9.398 -3.175,31.714 ccw(c-5.715,31.714) -3.919,33.51 -5.987,35.578 cw(c-4.191,37.374) -6.731,37.374 -6.731,40.35 cw(c-4.191,40.35) -5.987,42.146 -5.443,42.69 ccw(c-7.239,44.486) -4.699,44.486 -4.699,56.388 ccw(c-7.239,56.388) -7.239,58.928 v1(-12.192,58.928)